# KiCad board MurPhySDR.kicad_pcb (continued)
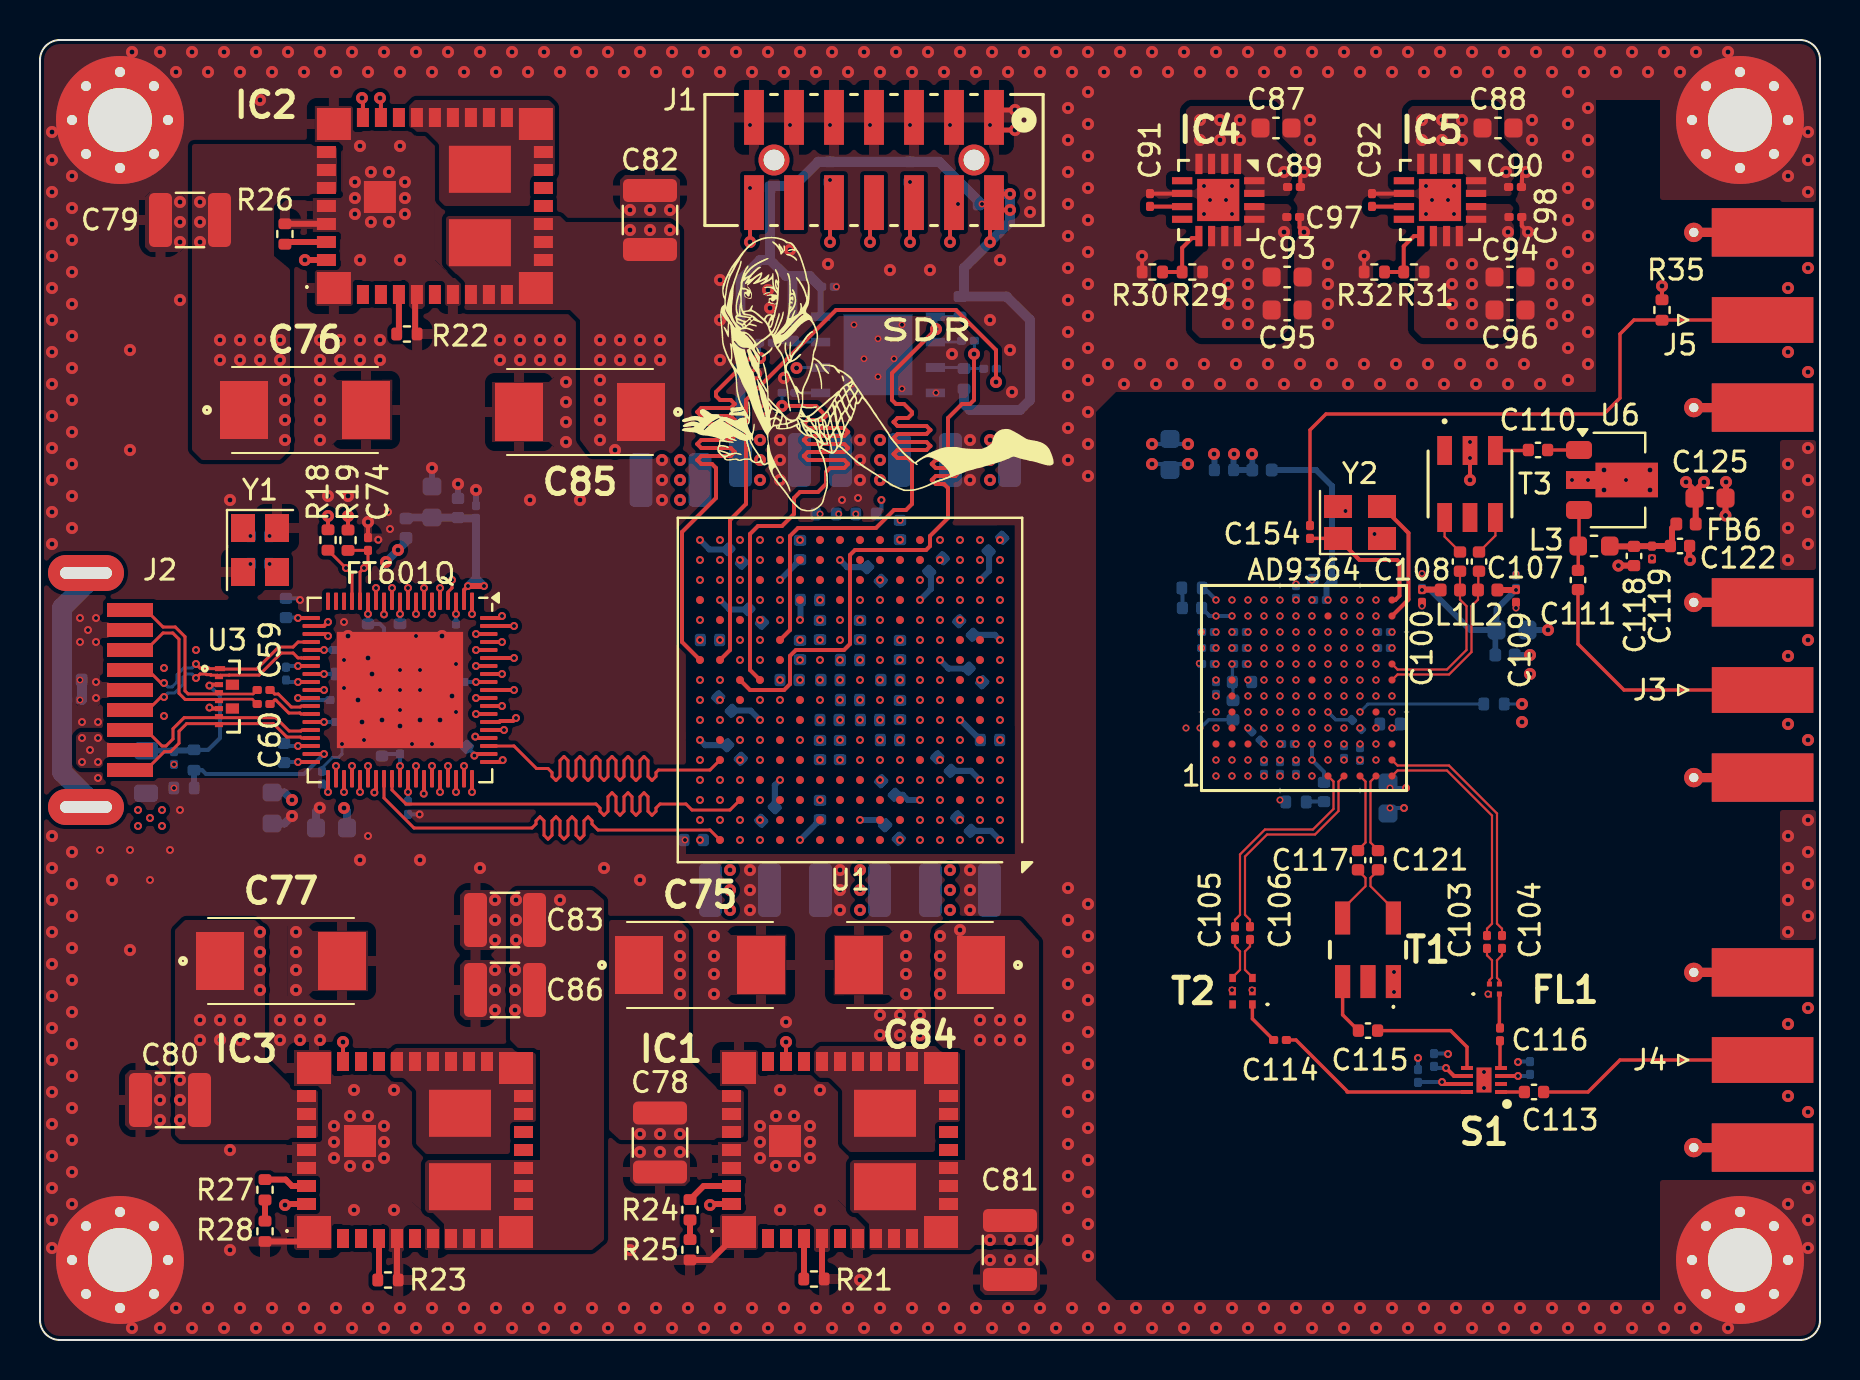
[diagram p0: board, top side]
## Library data of the parts
C1-C3 C6 C18 C24 C25 C78-C83 C86 = -: Description: Unpolarized capacitor; Manufacturer_Name: Murata; Manufacturer_Part_Number: GRM32ER71A476KE15L; Mouser Part Number: 81-GRM32ER71A476KE5L; ki_fp_filters: C_*
C4 C5 C7-C9 C12 C26-C29 C37 C40 C41 = -: Description: Unpolarized capacitor; Manufacturer_Name: Murata; Manufacturer_Part_Number: GRM155R60J475ME87D; Mouser Part Number: 81-GRM155R60J475ME8D; ki_fp_filters: C_*
C10 C11 C13 C15 C16 C19-C23 C30-C33 C35 C36 C38 C39 C42-C46 = -: Description: Unpolarized capacitor; Manufacturer_Name: Murata; Manufacturer_Part_Number: GRM155R61A474KE15D; Mouser Part Number: 81-GRM155R61A474KE5D; ki_fp_filters: C_*
C47 C48 C56-C61 C63 C65 C66 C68-C70 C73 C74 C89 C90 C97 C98 C101 C102 C112 C131-C139 C142 C143 C146-C149 C151-C154 = -: Description: Unpolarized capacitor; Manufacturer_Name: Murata; Manufacturer_Part_Number: GRM033R60J104KE19D; Mouser Part Number: 81-GRM033R60J104KE19; ki_fp_filters: C_*
C49-C51 C87 C88 C93-C96 C99 C125 C129 C130 = -: Description: Unpolarized capacitor; Manufacturer_Name: Murata; Manufacturer_Part_Number: GRM188R61A106ME69D; Mouser Part Number: 81-GRM188R61A106ME9D; ki_fp_filters: C_*
C52 C53 C55 C62 C67 C71 C122 C140 C141 C144 C145 C150 = -: Description: Unpolarized capacitor; Manufacturer_Name: Murata; Manufacturer_Part_Number: GRM155Z71A105KE01D; Mouser Part Number: 81-GRM155Z71A105KE1D; ki_fp_filters: C_*
C54 C64 = -: Description: Unpolarized capacitor; Manufacturer_Name: Murata; Manufacturer_Part_Number: GRM1555C1E100JA01D; Mouser Part Number: 81-GRM1555C1E100JA1D; ki_fp_filters: C_*
C75-C77 C84 C85 = -: Description: Polarized capacitor, US symbol; Manufacturer_Name: Panasonic; Manufacturer_Part_Number: 6TPE330MFL; Mouser Part Number: 667-6TPE330MFL; ki_fp_filters: CP_*
C91 C92 C100 C109 C119 C120 C123 C124 = -: Description: Unpolarized capacitor; Manufacturer_Name: Murata; Manufacturer_Part_Number: GRM0335C1H102JE01D; Mouser Part Number: 81-GRM0335C1H102JE1D; ki_fp_filters: C_*
C103 C104 C116 = -: Description: Unpolarized capacitor; Manufacturer_Name: Murata; Manufacturer_Part_Number: GRM0335C1H4R7BA01D; Mouser Part Number: 81-GRM0335C1H4R7BA1D; ki_fp_filters: C_*
C105 C106 C114 = -: Description: Unpolarized capacitor; Manufacturer_Name: Murata; Manufacturer_Part_Number: GRM0335C1H220JA01D; Mouser Part Number: 81-GRM0335C1H220JA1D; ki_fp_filters: C_*
C107 C108 C110 C111 C113 C115 C117 C121 = -: Description: Unpolarized capacitor; Manufacturer_Name: KEMET; Manufacturer_Part_Number: CBR04C101G3GAC; Mouser Part Number: 80-CBR04C101G3GAC; ki_fp_filters: C_*
C118 = -: Description: Unpolarized capacitor; Manufacturer_Name: YAGEO; Manufacturer_Part_Number: CC0402JRNPO9BN680; Mouser Part Number: 603-CC402JRNPO9BN680; ki_fp_filters: C_*
FB2 FB3 FB5-FB8 = -: Description: Ferrite bead; Manufacturer_Name: TDK; Manufacturer_Part_Number: MPZ1005S221ET000; Mouser Part Number: 810-MPZ1005S221ET000; ki_fp_filters: Inductor_* L_* *Ferrite*
FB4 = -: Description: Ferrite bead; Manufacturer_Name: TDK; Manufacturer_Part_Number: MPZ2012S601AT000; Mouser Part Number: 810-MPZ2012S601AT000; ki_fp_filters: Inductor_* L_* *Ferrite*
FL1 = -: Datasheet: https://cdn.ttm.com/repository/products/wireless-xinger/balun-transformers/BD3150N50100AHF/BD3150N50100AHF_97_J.pdf; Description: RF Balun 3.1GHz ~ 5GHz 50 / 100Ohm 0404 (1010 Metric); Height: 0.56; Manufacturer_Name: ANAREN; Manufacturer_Part_Number: BD3150N50100AHF; Mouser Part Number: 620-BD3150N50100AHF; Mouser Price/Stock: https://www.mouser.co.uk/ProductDetail/Anaren/BD3150N50100AHF?qs=61pwXRo0i5hyFh2UnzZs%252BA%3D%3D
H1-H4 = -: Description: Mounting Hole with connection; Manufacturer_Name: /; Manufacturer_Part_Number: /; ki_fp_filters: MountingHole*Pad*
IC1-IC3 = -: Datasheet: https://www.ti.com/lit/ds/symlink/lmz30604.pdf?ts=1633841335366; Description: Non-Isolated PoL Module DC DC Converter 1 Output 0.8 ~ 3.6V - - 4A 2.95V - 6V Input; Height: 2.9; Manufacturer_Name: Texas Instruments; Mouser Part Number: 595-LMZ30604RKGT
IC4 IC5 = -: Description: Analog Devices ADP1755ACPZ-R7, 5 LDO Voltage Regulator, Adjustable 1.2A, 0.75  3.3 V 0.51V, 16-Pin LFCSP; Manufacturer_Name: Analog Devices; Mouser Part Number: 584-ADP1755ACPZ-R7; Mouser Price/Stock: https://www.mouser.co.uk/ProductDetail/Analog-Devices/ADP1755ACPZ-R7?qs=WIvQP4zGanjr6I6ye1%252BLcA%3D%3D
J1 = -: Manufacturer_Name: Molex; Mouser Part Number: 538-87832-1420; ki_fp_filters: CONN_87832-1420_MOL
J2 = -: Description: USB 3.0 A connector; Manufacturer_Name: XKB Connectivity; Manufacturer_Part_Number: U237-091N-4BLVS10-1; Mouser Part Number: /; ki_fp_filters: USB3*
J3-J5 = -: Description: coaxial connector (BNC, SMA, SMB, SMC, Cinch/RCA, LEMO, ...); Manufacturer_Name: Molex; Manufacturer_Part_Number: 0732511150; Mouser Part Number: 538-73251-1150; ki_fp_filters: *BNC* *SMA* *SMB* *SMC* *Cinch* *LEMO* *UMRF* *MCX* *U.FL*
L1 L2 = -: Description: Inductor; Manufacturer_Name: Murata; Manufacturer_Part_Number: LQW15CNR33J1ZD; Mouser Part Number: 81-LQW15CNR33J1ZD; ki_fp_filters: Choke_* *Coil* Inductor_* L_*
L3 = -: Description: Inductor; Manufacturer_Name: Murata; Manufacturer_Part_Number: LQW18AN43NG00D; Mouser Part Number: 81-LQW18AN43NG00D; ki_fp_filters: Choke_* *Coil* Inductor_* L_*
R1-R3 R10-R12 R15 R24 = -: Description: Resistor; Manufacturer_Name: YAGEO; Manufacturer_Part_Number: RC0402FR-074K7L; Mouser Part Number: 603-RC0402FR-074K7L; ki_fp_filters: R_*
R4-R7 = -: Description: Resistor; Manufacturer_Name: YAGEO; Manufacturer_Part_Number: RC0201FR-0715RL; Mouser Part Number: 603-RC0201FR-0715RL; ki_fp_filters: R_*
R8 R9 R13 R16-R19 R30 R32 R36 = -: Description: Resistor; Manufacturer_Name: YAGEO; Manufacturer_Part_Number: RT0402BRD0710KL; Mouser Part Number: 603-RT0402BRD0710KL; ki_fp_filters: R_*
R14 = -: Description: Resistor; Manufacturer_Name: YAGEO; Manufacturer_Part_Number: RT0402BRD071K6L; Mouser Part Number: 603-RT0402BRD071K6L; ki_fp_filters: R_*
R21 = -: Description: Resistor; Manufacturer_Name: YAGEO; Manufacturer_Part_Number: AC0402FR-071M2L; Mouser Part Number: 603-AC0402FR-071M2L; ki_fp_filters: R_*
R22 R23 = -: Description: Resistor; Manufacturer_Name: YAGEO; Manufacturer_Part_Number: RC0402FR-07348KL; Mouser Part Number: 603-RC0402FR-07348KL; ki_fp_filters: R_*
R25 R26 = -: Description: Resistor; Manufacturer_Name: YAGEO; Manufacturer_Part_Number: RC0402FR-071K15L; Mouser Part Number: 603-RC0402FR-071K15L; ki_fp_filters: R_*
R27 = -: Description: Resistor; Manufacturer_Name: YAGEO; Manufacturer_Part_Number: RC0402FR-07453RL; Mouser Part Number: 603-RC0402FR-07453RL; ki_fp_filters: R_*
R28 = -: Description: Resistor; Manufacturer_Name: YAGEO; Manufacturer_Part_Number: RC0402FR-076R04L; Mouser Part Number: 603-RC0402FR-076R04L; ki_fp_filters: R_*
R29 R31 = -: Description: Resistor; Manufacturer_Name: YAGEO; Manufacturer_Part_Number: RC0402FR-0716KL; Mouser Part Number: 603-RC0402FR-0716KL; ki_fp_filters: R_*
R33 R34 = -: Description: Resistor; Manufacturer_Name: YAGEO; Manufacturer_Part_Number: RC0402FR-071RL; Mouser Part Number: 603-RC0402FR-071RL; ki_fp_filters: R_*
R35 = -: Description: Resistor; Manufacturer_Name: YAGEO; Manufacturer_Part_Number: RC0402FR-0749R9L; Mouser Part Number: 603-RC0402FR-0749R9L; ki_fp_filters: R_*
R37 = -: Description: Resistor; Manufacturer_Name: YAGEO; Manufacturer_Part_Number: RC0402FR-0714K3L; Mouser Part Number: 603-RC0402FR-0714K3L; ki_fp_filters: R_*
S1 = -: Datasheet: https://componentsearchengine.com/Datasheets/1/SKY13317-373LF.pdf; Description: RF Switch ICs 20MHz-6GHz SP3T GaAs IL .5dB @2.5GHz; Height: 0.5; Manufacturer_Name: Skyworks; Mouser Part Number: 873-SKY13317-373LF; Mouser Price/Stock: https://www.mouser.co.uk/ProductDetail/Skyworks-Solutions-Inc/SKY13317-373LF?qs=WMHGlxXAKT%2FS6%2Fi0J8S9Fw%3D%3D
T1 = -: Datasheet: https://www.minicircuits.com/pdfs/TC1-1-13MA+.pdf; Description: RF TRANSFORMER, 4.5 - 3000 MHZ,; Height: 4.06; Manufacturer_Name: Mini-Circuits; Manufacturer_Part_Number: TC1-1-13MA+; Mouser Part Number: 139-TC1-1-13MA; Mouser Price/Stock: https://www.mouser.co.uk/ProductDetail/Mini-Circuits/TC1-1-13MA%2b?qs=xZ%2FP%252Ba9zWqaQyucfPXsKqA%3D%3D
T2 = -: Datasheet: https://www.mouser.co.uk/datasheet/2/21/BD1631J50100AHF-3364808.pdf; Description: Signal Conditioning 2.0-2.5GHz 50/100 Ohm IL=1.0dB; Manufacturer_Name: ANAREN; Manufacturer_Part_Number: BD1631J50100AHF; Mouser Part Number: 620-BD1631J50100AHF; Mouser Price/Stock: https://www.mouser.co.uk/ProductDetail/Anaren/BD1631J50100AHF?qs=61pwXRo0i5iUfnwkd6QDzQ%3D%3D
T3 = -: Manufacturer_Name: Mini-Circuits; Mouser Part Number: 139-TCM1-63AX; ki_fp_filters: DB1627_MNC
U1 = -: Description: Artix 7 T 50 XC7A50T-FTG256; Manufacturer_Name: Xilinx; Mouser Part Number: 217-XC7A50T-2FTG256I
U2 = -: Datasheet: MX25L25645GZNI-08G; Manufacturer_Name: Macronix; Manufacturer_Part_Number: MX25L25645GZNI-08G; Mouser Part Number: /; ki_fp_filters: WSON8_6X5_MAC WSON8_6X5_MAC-M WSON8_6X5_MAC-L
U3 = -: Manufacturer_Name: osnemi; Manufacturer_Part_Number: ESD7016MUTAG; Mouser Part Number: 863-ESD7016MUTAG
U4 = -: Manufacturer_Name: FTDI; Manufacturer_Part_Number: FT601Q-B-T; Mouser Part Number: 895-FT601Q-B-T
U5 = -: Manufacturer_Name: Analog Devices; Manufacturer_Part_Number: AD9364BBCZ; Mouser Part Number: 584-AD9364BBCZ; Field8: 12; Field9: M; Field10: A; Field11: 1; Field12: A; Field13: M; Field14: 12
U6 = -: Datasheet: https://www.analog.com/media/en/technical-documentation/data-sheets/ADL5610.pdf; Description: 30-6000MHz RF/IF +18.4dB gain block, SOT-89; Manufacturer_Name: Analog Devices; Manufacturer_Part_Number: ADL5611ARKZ-R7; Mouser Part Number: ADL5611ARKZ-R7; ki_fp_filters: SOT?89*
Y1 = -: Description: Four pin crystal, GND on pins 2 and 4; Manufacturer_Name: KYOCERA AVX; Manufacturer_Part_Number: CX3225SB30000D0FPLCC; Mouser Part Number: 581-CX3225SB3DFPLCC; ki_fp_filters: Crystal*
Y2 = -: Description: Four pin crystal, GND on pins 2 and 4; Manufacturer_Name: Epson Timing; Manufacturer_Part_Number: X1E0000210808; Mouser Part Number: /; ki_fp_filters: Crystal*

## Footprints (pads in the part's own frame, mm; a bottom-side part is the same pattern mirrored in y, then rotated)
6TPE330MFL
  rect 2.4x2.9 smd: 1(-3.05,0) 2(3.05,0)
AD9364
  round 0.356 smd: A1(-4.4,4.4) A2(-3.6,4.4) A3(-2.8,4.4) A4(-2,4.4) A5(-1.2,4.4) A6(-0.4,4.4) A7(0.4,4.4) A8(1.2,4.4) A9(2,4.4) A10(2.8,4.4) A11(3.6,4.4) A12(4.4,4.4) B1(-4.4,3.6) B2(-3.6,3.6) B3(-2.8,3.6) B4(-2,3.6) B5(-1.2,3.6) B6(-0.4,3.6) B7(0.4,3.6) B8(1.2,3.6) B9(2,3.6) B10(2.8,3.6) B11(3.6,3.6) B12(4.4,3.6) C1(-4.4,2.8) C2(-3.6,2.8) C3(-2.8,2.8) C4(-2,2.8) C5(-1.2,2.8) C6(-0.4,2.8) C7(0.4,2.8) C8(1.2,2.8) C9(2,2.8) C10(2.8,2.8) C11(3.6,2.8) C12(4.4,2.8) D1(-4.4,2) D2(-3.6,2) D3(-2.8,2) D4(-2,2) D5(-1.2,2) D6(-0.4,2) D7(0.4,2) D8(1.2,2) D9(2,2) D10(2.8,2) D11(3.6,2) D12(4.4,2) E1(-4.4,1.2) E2(-3.6,1.2) E3(-2.8,1.2) E4(-2,1.2) E5(-1.2,1.2) E6(-0.4,1.2) E7(0.4,1.2) E8(1.2,1.2) E9(2,1.2) E10(2.8,1.2) E11(3.6,1.2) E12(4.4,1.2) F1(-4.4,0.4) F2(-3.6,0.4) F3(-2.8,0.4) F4(-2,0.4) F5(-1.2,0.4) F6(-0.4,0.4) F7(0.4,0.4) F8(1.2,0.4) F9(2,0.4) F10(2.8,0.4) F11(3.6,0.4) F12(4.4,0.4) G1(-4.4,-0.4) G2(-3.6,-0.4) G3(-2.8,-0.4) G4(-2,-0.4) G5(-1.2,-0.4) G6(-0.4,-0.4) G7(0.4,-0.4) G8(1.2,-0.4) G9(2,-0.4) G10(2.8,-0.4) G11(3.6,-0.4) G12(4.4,-0.4) H1(-4.4,-1.2) H2(-3.6,-1.2) H3(-2.8,-1.2) H4(-2,-1.2) H5(-1.2,-1.2) H6(-0.4,-1.2) H7(0.4,-1.2) H8(1.2,-1.2) H9(2,-1.2) H10(2.8,-1.2) H11(3.6,-1.2) H12(4.4,-1.2) J1(-4.4,-2) J2(-3.6,-2) J3(-2.8,-2) J4(-2,-2) J5(-1.2,-2) J6(-0.4,-2) J7(0.4,-2) J8(1.2,-2) J9(2,-2) J10(2.8,-2) J11(3.6,-2) J12(4.4,-2) K1(-4.4,-2.8) K2(-3.6,-2.8) K3(-2.8,-2.8) K4(-2,-2.8) K5(-1.2,-2.8) K6(-0.4,-2.8) K7(0.4,-2.8) K8(1.2,-2.8) K9(2,-2.8) K10(2.8,-2.8) K11(3.6,-2.8) K12(4.4,-2.8) L1(-4.4,-3.6) L2(-3.6,-3.6) L3(-2.8,-3.6) L4(-2,-3.6) L5(-1.2,-3.6) L6(-0.4,-3.6) L7(0.4,-3.6) L8(1.2,-3.6) L9(2,-3.6) L10(2.8,-3.6) L11(3.6,-3.6) L12(4.4,-3.6) M1(-4.4,-4.4) M2(-3.6,-4.4) M3(-2.8,-4.4) M4(-2,-4.4) M5(-1.2,-4.4) M6(-0.4,-4.4) M7(0.4,-4.4) M8(1.2,-4.4) M9(2,-4.4) M10(2.8,-4.4) M11(3.6,-4.4) M12(4.4,-4.4)
BD1631J50100AHF
  rect 0.41x0.33 smd: 1(-0.66,-0.495) 2(0,-0.495) 3(0.66,-0.495) 4(0.66,0.495) 5(0,0.495) 6(-0.66,0.495)
BD3150N50100AHF
  rect 0.3x0.3 smd: 1(0.275,0.275)
  rect 0.25x0.25 smd: 2(-0.25,0.25) 3(-0.25,-0.25) 4(0.25,-0.25)
C_0201_0603Metric
  rrect 0.318x0.36 smd: (-0.345,0) (0.345,0)
  rrect 0.46x0.4 smd: 1(-0.32,0) 2(0.32,0)
C_0402_1005Metric
  rrect 0.56x0.62 smd: 1(-0.48,0) 2(0.48,0)
C_0603_1608Metric
  rrect 0.9x0.95 smd: 1(-0.775,0) 2(0.775,0)
C_1210_3225Metric
  rrect 1.15x2.7 smd: 1(-1.475,0) 2(1.475,0)
CONN_87832-1420_MOL
  rect 0.991x2.743 smd: 1(-6,-2.13) 2(-6,2.13) 3(-4,-2.13) 4(-4,2.13) 5(-2,-2.13) 6(-2,2.13) 7(0,-2.13) 8(0,2.13) 9(2,-2.13) 10(2,2.13) 11(4,-2.13) 12(4,2.13) 13(6,-2.13) 14(6,2.13)
  round 1.549 hole 1.041: 15(-5,0) 16(5,0)
Crystal_SMD_3225-4Pin_3.2x2.5mm
  rect 1.4x1.2 smd: 1(-1.1,-0.85) 2(1.1,-0.85) 3(1.1,0.85) 4(-1.1,0.85)
Crystal_SMD_SeikoEpson_TSX3225-4Pin_3.2x2.5mm
  rect 1.4x1.15 smd: 1(-1.1,-0.8) 2(1.1,-0.8) 3(1.1,0.8) 4(-1.1,0.8)
L_0402_1005Metric
  rrect 0.59x0.64 smd: 1(-0.485,0) 2(0.485,0)
L_0603_1608Metric
  rrect 0.875x0.95 smd: 1(-0.787,0) 2(0.787,0)
L_0805_2012Metric
  rrect 0.875x1.2 smd: 1(-1.062,0) 2(1.062,0)
LMZ30604RKGT
  rect 1.7x1.6 smd: 1(-5.05,-4.1) 11(5.05,-4.1) 19(5.05,4.1) 29(-5.05,4.1)
  rect 0.6x0.95 smd: 2(-3.6,-4.425) 3(-2.7,-4.425) 4(-1.8,-4.425) 5(-0.9,-4.425) 6(0,-4.425) 7(0.9,-4.425) 8(1.8,-4.425) 9(2.7,-4.425) 10(3.6,-4.425) 20(3.6,4.425) 21(2.7,4.425) 22(1.8,4.425) 23(0.9,4.425) 24(0,4.425) 25(-0.9,4.425) 26(-1.8,4.425) 27(-2.7,4.425) 28(-3.6,4.425)
  rect 0.95x0.6 smd: 12(5.425,-2.7) 13(5.425,-1.8) 14(5.425,-0.9) 15(5.425,0) 16(5.425,0.9) 17(5.425,1.8) 18(5.425,2.7) 30(-5.425,2.7) 31(-5.425,1.8) 32(-5.425,0.9) 33(-5.425,0) 34(-5.425,-0.9) 35(-5.425,-1.8) 36(-5.425,-2.7)
  rect 1.6x1.6 smd: 37(-2.75,0.45)
  rect 3.1x2.35 smd: 38(2.25,-1.835) 39(2.25,1.835)
MountingHole_3.2mm_M3_Pad_Via
  round 0.8 hole 0.5: 1(-2.4,0) 1(-1.697,1.697) 1(-1.697,-1.697) 1(0,2.4) 1(0,-2.4) 1(1.697,1.697) 1(1.697,-1.697) 1(2.4,0)
  round 6.4 hole 3.2: 1(0,0)
QFN65P400X400X100-17N
  rect 1.016x0.356 smd: 1(-1.803,0.965) 2(-1.803,0.33) 3(-1.803,-0.33) 4(-1.803,-0.965) 9(1.803,-0.965) 10(1.803,-0.33) 11(1.803,0.33) 12(1.803,0.965)
  rect 0.356x1.016 smd: 5(-0.965,-1.803) 6(-0.33,-1.803) 7(0.33,-1.803) 8(0.965,-1.803) 13(0.965,1.803) 14(0.33,1.803) 15(-0.33,1.803) 16(-0.965,1.803)
  rect 2.108x2.108 smd: 17(0,0)
QFN-76-1EP_9x9mm_P0.4mm_EP5.81x6.31mm
  rrect 4.68x5.09 smd: (0,0)
  rrect 0.875x0.2 smd: 1(-4.438,3.6) 2(-4.438,3.2) 3(-4.438,2.8) 4(-4.438,2.4) 5(-4.438,2) 6(-4.438,1.6) 7(-4.438,1.2) 8(-4.438,0.8) 9(-4.438,0.4) 10(-4.438,0) 11(-4.438,-0.4) 12(-4.438,-0.8) 13(-4.438,-1.2) 14(-4.438,-1.6) 15(-4.438,-2) 16(-4.438,-2.4) 17(-4.438,-2.8) 18(-4.438,-3.2) 19(-4.438,-3.6) 39(4.438,-3.6) 40(4.438,-3.2) 41(4.438,-2.8) 42(4.438,-2.4) 43(4.438,-2) 44(4.438,-1.6) 45(4.438,-1.2) 46(4.438,-0.8) 47(4.438,-0.4) 48(4.438,0) 49(4.438,0.4) 50(4.438,0.8) 51(4.438,1.2) 52(4.438,1.6) 53(4.438,2) 54(4.438,2.4) 55(4.438,2.8) 56(4.438,3.2) 57(4.438,3.6)
  rrect 0.2x0.875 smd: 20(-3.6,-4.438) 21(-3.2,-4.438) 22(-2.8,-4.438) 23(-2.4,-4.438) 24(-2,-4.438) 25(-1.6,-4.438) 26(-1.2,-4.438) 27(-0.8,-4.438) 28(-0.4,-4.438) 29(0,-4.438) 30(0.4,-4.438) 31(0.8,-4.438) 32(1.2,-4.438) 33(1.6,-4.438) 34(2,-4.438) 35(2.4,-4.438) 36(2.8,-4.438) 37(3.2,-4.438) 38(3.6,-4.438) 58(3.6,4.438) 59(3.2,4.438) 60(2.8,4.438) 61(2.4,4.438) 62(2,4.438) 63(1.6,4.438) 64(1.2,4.438) 65(0.8,4.438) 66(0.4,4.438) 67(0,4.438) 68(-0.4,4.438) 69(-0.8,4.438) 70(-1.2,4.438) 71(-1.6,4.438) 72(-2,4.438) 73(-2.4,4.438) 74(-2.8,4.438) 75(-3.2,4.438) 76(-3.6,4.438)
  rect 5.81x6.31 smd: 77(0,0)
R_0201_0603Metric
  rrect 0.318x0.36 smd: (-0.345,0) (0.345,0)
  rrect 0.46x0.4 smd: 1(-0.32,0) 2(0.32,0)
R_0402_1005Metric
  rrect 0.54x0.64 smd: 1(-0.51,0) 2(0.51,0)
SMA_Molex_73251-1153_EdgeMount_Horizontal
  rect 5.08x2.29 smd: 1(-1.72,0)
  rect 5.08x2.42 smd: 2(-1.72,4.38) 2(-1.72,-4.38)
  rect 5.08x2.42 smd far side: 2(-1.72,4.38) 2(-1.72,-4.38)
  rect 0.95x0.46 smd: 2(1.27,4.38) 2(1.27,-4.38)
  rect 0.95x0.46 smd far side: 2(1.27,4.38) 2(1.27,-4.38)
  round 0.97 hole 0.46: 2(1.72,4.38) 2(1.72,-4.38)
SON40P155X155X50-9N_(SKY13317-373LF)
  rect 0.6x0.2 smd: 1(-0.85,0.6) 2(-0.85,0.2) 3(-0.85,-0.2) 4(-0.85,-0.6) 5(0.85,-0.6) 6(0.85,-0.2) 7(0.85,0.2) 8(0.85,0.6)
  rect 0.75x1.25 smd: 9(0,0)
SOT-89-3
  rrect 1.3x0.9 smd: 1(-1.95,1.5) 3(-1.95,-1.5)
  custom 4.6x1.733 smd: 2(-1.863,0)
TC1113MA
  rect 0.76x1.65 smd: 1(-1.27,1.59) 2(0,1.59) 3(1.27,1.59) 4(1.27,-1.59) 6(-1.27,-1.59)
TCM1-63AX+
  rect 1.448x0.737 smd: 1(-1.676,-1.27) 2(-1.676,0) 3(-1.676,1.27) 4(1.676,1.27) 5(1.676,0) 6(1.676,-1.27)
UDFN8_3P3X1_517CB_ONS
  rect 0.508x0.254 smd: 1(-0.349,1.4)
  rect 0.406x0.254 smd: 2(-0.4,1) 3(-0.4,0.6) 4(-0.4,0.2) 5(-0.4,-0.2) 6(-0.4,-0.6) 7(-0.4,-1) 8(-0.4,-1.4)
  rect 0.66x0.508 smd: 11(0.273,-0.595) 14(0.273,0.595)
USB3.0-A-SMD_U237-091N-4BLVS10-1
  rect 0.7x2.3 smd: 1(3,1.1) 2(1,1.1) 3(-1,1.1) 4(-3,1.1) 5(-4,1.1) 6(-2,1.1) 7(0,1.1) 8(2,1.1) 9(4,1.1)
  oval 1.8x3.8 hole 0.6x2.6: 10(-5.85,-1.1) 10(5.85,-1.1)
WSON8_6X5_MAC
  rect 0.965x0.432 smd: 1(-2.87,1.905) 2(-2.87,0.635) 3(-2.87,-0.635) 4(-2.87,-1.905) 5(2.87,-1.905) 6(2.87,-0.635) 7(2.87,0.635) 8(2.87,1.905)
  rect 3.454x4.039 smd: 9(0,0)
Xilinx_FTG256
  round 0.4 smd: A1(-7.5,7.5) A2(-6.5,7.5) A3(-5.5,7.5) A4(-4.5,7.5) A5(-3.5,7.5) A6(-2.5,7.5) A7(-1.5,7.5) A8(-0.5,7.5) A9(0.5,7.5) A10(1.5,7.5) A11(2.5,7.5) A12(3.5,7.5) A13(4.5,7.5) A14(5.5,7.5) A15(6.5,7.5) A16(7.5,7.5) B1(-7.5,6.5) B2(-6.5,6.5) B3(-5.5,6.5) B4(-4.5,6.5) B5(-3.5,6.5) B6(-2.5,6.5) B7(-1.5,6.5) B8(-0.5,6.5) B9(0.5,6.5) B10(1.5,6.5) B11(2.5,6.5) B12(3.5,6.5) B13(4.5,6.5) B14(5.5,6.5) B15(6.5,6.5) B16(7.5,6.5) C1(-7.5,5.5) C2(-6.5,5.5) C3(-5.5,5.5) C4(-4.5,5.5) C5(-3.5,5.5) C6(-2.5,5.5) C7(-1.5,5.5) C8(-0.5,5.5) C9(0.5,5.5) C10(1.5,5.5) C11(2.5,5.5) C12(3.5,5.5) C13(4.5,5.5) C14(5.5,5.5) C15(6.5,5.5) C16(7.5,5.5) D1(-7.5,4.5) D2(-6.5,4.5) D3(-5.5,4.5) D4(-4.5,4.5) D5(-3.5,4.5) D6(-2.5,4.5) D7(-1.5,4.5) D8(-0.5,4.5) D9(0.5,4.5) D10(1.5,4.5) D11(2.5,4.5) D12(3.5,4.5) D13(4.5,4.5) D14(5.5,4.5) D15(6.5,4.5) D16(7.5,4.5) E1(-7.5,3.5) E2(-6.5,3.5) E3(-5.5,3.5) E4(-4.5,3.5) E5(-3.5,3.5) E6(-2.5,3.5) E7(-1.5,3.5) E8(-0.5,3.5) E9(0.5,3.5) E10(1.5,3.5) E11(2.5,3.5) E12(3.5,3.5) E13(4.5,3.5) E14(5.5,3.5) E15(6.5,3.5) E16(7.5,3.5) F1(-7.5,2.5) F2(-6.5,2.5) F3(-5.5,2.5) F4(-4.5,2.5) F5(-3.5,2.5) F6(-2.5,2.5) F7(-1.5,2.5) F8(-0.5,2.5) F9(0.5,2.5) F10(1.5,2.5) F11(2.5,2.5) F12(3.5,2.5) F13(4.5,2.5) F14(5.5,2.5) F15(6.5,2.5) F16(7.5,2.5) G1(-7.5,1.5) G2(-6.5,1.5) G3(-5.5,1.5) G4(-4.5,1.5) G5(-3.5,1.5) G6(-2.5,1.5) G7(-1.5,1.5) G8(-0.5,1.5) G9(0.5,1.5) G10(1.5,1.5) G11(2.5,1.5) G12(3.5,1.5) G13(4.5,1.5) G14(5.5,1.5) G15(6.5,1.5) G16(7.5,1.5) H1(-7.5,0.5) H2(-6.5,0.5) H3(-5.5,0.5) H4(-4.5,0.5) H5(-3.5,0.5) H6(-2.5,0.5) H7(-1.5,0.5) H8(-0.5,0.5) H9(0.5,0.5) H10(1.5,0.5) H11(2.5,0.5) H12(3.5,0.5) H13(4.5,0.5) H14(5.5,0.5) H15(6.5,0.5) H16(7.5,0.5) J1(-7.5,-0.5) J2(-6.5,-0.5) J3(-5.5,-0.5) J4(-4.5,-0.5) J5(-3.5,-0.5) J6(-2.5,-0.5) J7(-1.5,-0.5) J8(-0.5,-0.5) J9(0.5,-0.5) J10(1.5,-0.5) J11(2.5,-0.5) J12(3.5,-0.5) J13(4.5,-0.5) J14(5.5,-0.5) J15(6.5,-0.5) J16(7.5,-0.5) K1(-7.5,-1.5) K2(-6.5,-1.5) K3(-5.5,-1.5) K4(-4.5,-1.5) K5(-3.5,-1.5) K6(-2.5,-1.5) K7(-1.5,-1.5) K8(-0.5,-1.5) K9(0.5,-1.5) K10(1.5,-1.5) K11(2.5,-1.5) K12(3.5,-1.5) K13(4.5,-1.5) K14(5.5,-1.5) K15(6.5,-1.5) K16(7.5,-1.5) L1(-7.5,-2.5) L2(-6.5,-2.5) L3(-5.5,-2.5) L4(-4.5,-2.5) L5(-3.5,-2.5) L6(-2.5,-2.5) L7(-1.5,-2.5) L8(-0.5,-2.5) L9(0.5,-2.5) L10(1.5,-2.5) L11(2.5,-2.5) L12(3.5,-2.5) L13(4.5,-2.5) L14(5.5,-2.5) L15(6.5,-2.5) L16(7.5,-2.5) M1(-7.5,-3.5) M2(-6.5,-3.5) M3(-5.5,-3.5) M4(-4.5,-3.5) M5(-3.5,-3.5) M6(-2.5,-3.5) M7(-1.5,-3.5) M8(-0.5,-3.5) M9(0.5,-3.5) M10(1.5,-3.5) M11(2.5,-3.5) M12(3.5,-3.5) M13(4.5,-3.5) M14(5.5,-3.5) M15(6.5,-3.5) M16(7.5,-3.5) N1(-7.5,-4.5) N2(-6.5,-4.5) N3(-5.5,-4.5) N4(-4.5,-4.5) N5(-3.5,-4.5) N6(-2.5,-4.5) N7(-1.5,-4.5) N8(-0.5,-4.5) N9(0.5,-4.5) N10(1.5,-4.5) N11(2.5,-4.5) N12(3.5,-4.5) N13(4.5,-4.5) N14(5.5,-4.5) N15(6.5,-4.5) N16(7.5,-4.5) P1(-7.5,-5.5) P2(-6.5,-5.5) P3(-5.5,-5.5) P4(-4.5,-5.5) P5(-3.5,-5.5) P6(-2.5,-5.5) P7(-1.5,-5.5) P8(-0.5,-5.5) P9(0.5,-5.5) P10(1.5,-5.5) P11(2.5,-5.5) P12(3.5,-5.5) P13(4.5,-5.5) P14(5.5,-5.5) P15(6.5,-5.5) P16(7.5,-5.5) R1(-7.5,-6.5) R2(-6.5,-6.5) R3(-5.5,-6.5) R4(-4.5,-6.5) R5(-3.5,-6.5) R6(-2.5,-6.5) R7(-1.5,-6.5) R8(-0.5,-6.5) R9(0.5,-6.5) R10(1.5,-6.5) R11(2.5,-6.5) R12(3.5,-6.5) R13(4.5,-6.5) R14(5.5,-6.5) R15(6.5,-6.5) R16(7.5,-6.5) T1(-7.5,-7.5) T2(-6.5,-7.5) T3(-5.5,-7.5) T4(-4.5,-7.5) T5(-3.5,-7.5) T6(-2.5,-7.5) T7(-1.5,-7.5) T8(-0.5,-7.5) T9(0.5,-7.5) T10(1.5,-7.5) T11(2.5,-7.5) T12(3.5,-7.5) T13(4.5,-7.5) T14(5.5,-7.5) T15(6.5,-7.5) T16(7.5,-7.5)

## Nets
+1V0: C18.1 C22.1 C37.1 C40.1 C41.1 C42.1 C43.1 C44.1 C45.1 C46.1 C81.1 C84.1 IC1.8 IC1.9 IC1.10 IC1.11 IC1.12 IC1.13 IC1.14 IC1.36 IC1.38 U1.E10 U1.F7 U1.F8 U1.F9 U1.F11 U1.G6 U1.G8 U1.H9 U1.J6 U1.K9 U1.L8
+1V3_A: C93.1 C95.1 C97.1 C129.1 C131.1 C133.1 C135.1 C137.1 C143.1 C147.1 IC4.10 IC4.11 IC4.12 IC4.13 IC4.14 R29.1 U5.B9 U5.B10 U5.E2 U5.F2 U5.J3 U5.K3
+1V3_B: C94.1 C96.1 C98.1 C101.1 C130.1 C132.1 C134.1 C136.1 C142.1 C146.1 C148.1 C149.1 C151.1 C152.1 C153.1 FB5.2 FB7.2 IC5.10 IC5.11 IC5.12 IC5.13 IC5.14 R31.1 U5.A7 U5.A8 U5.A9 U5.A10 U5.D2 U5.D3 U5.E3 U5.F12 U5.K4 U5.M9 U5.M10
+1V8: C2.1 C5.1 C6.1 C9.1 C11.1 C12.1 C15.1 C19.1 C21.1 C23.1 C25.1 C27.1 C29.1 C31.1 C33.1 C36.1 C39.1 C82.1 C85.1 C87.1 C88.1 C89.1 C90.1 C150.1 FB8.2 IC2.8 IC2.9 IC2.10 IC2.11 IC2.12 IC2.13 IC2.14 IC2.36 IC2.38 IC4.1 IC4.2 IC4.3 IC4.4 IC4.15 IC4.16 IC5.1 IC5.2 IC5.3 IC5.4 IC5.15 IC5.16 R36.1 U1.A6 U1.B3 U1.D7 U1.E4 U1.F1 U1.G10 U1.J2 U1.J10 U1.K11 U1.L10 U1.M3 U1.R4 U1.T1
+1Vcore-FT: C50.1 C53.1 C57.1 C63.1 C66.1 C68.1 C70.1 FB3.1 U4.3 U4.30 U4.33 U4.39 U4.48
+3V3: C1.1 C3.1 C4.1 C7.1 C8.1 C10.1 C13.1 C16.1 C20.1 C24.1 C26.1 C28.1 C30.1 C32.1 C35.1 C38.1 C47.1 C49.1 C52.1 C56.1 C62.1 C65.1 C67.1 C69.1 C71.1 C73.1 C83.1 C86.1 IC3.8 IC3.9 IC3.10 IC3.11 IC3.12 IC3.13 IC3.14 IC3.36 IC3.38 J1.2 R1.1 R2.1 R3.1 R8.1 R9.1 R10.1 R11.1 R12.1 R13.1 R17.1 R18.1 R19.1 U1.A16 U1.B13 U1.C10 U1.E7 U1.E14 U1.H15 U1.J12 U1.L6 U1.L16 U1.M9 U1.M13 U1.N10 U1.P7 U1.R14 U1.T11 U2.8 U4.14 U4.20 U4.24 U4.28 U4.38 U4.49 U4.59 U4.68
+5V: C75.1 C76.1 C77.1 C78.1 C79.1 C80.1 C125.1 FB4.2 FB6.2 IC1.30 IC1.31 IC1.32 IC2.30 IC2.31 IC2.32 IC3.30 IC3.31 IC3.32
AVDD_FT: C51.1 C55.1 C61.1 FB3.2 U4.2
GND: C1.2 C2.2 C3.2 C4.2 C5.2 C6.2 C7.2 C8.2 C9.2 C10.2 C11.2 C12.2 C13.2 C15.2 C16.2 C18.2 C19.2 C20.2 C21.2 C22.2 C23.2 C24.2 C25.2 C26.2 C27.2 C28.2 C29.2 C30.2 C31.2 C32.2 C33.2 C35.2 C36.2 C37.2 C38.2 C39.2 C40.2 C41.2 C42.2 C43.2 C44.2 C45.2 C46.2 C47.2 C48.2 C49.2 C50.2 C51.2 C52.2 C53.2 C54.2 C55.2 C56.2 C57.2 C58.2 C61.2 C62.2 C63.2 C64.2 C65.2 C66.2 C67.2 C68.2 C69.2 C70.2 C71.2 C73.2 C74.2 C75.2 C76.2 C77.2 C78.2 C79.2 C80.2 C81.2 C82.2 C83.2 C84.2 C85.2 C86.2 C87.2 C88.2 C89.2 C90.2 C91.2 C92.2 C93.2 C94.2 C95.2 C96.2 C97.2 C98.2 C99.2 C100.2 C101.2 C102.2 C109.2 C112.2 C118.2 C119.2 C120.2 C122.1 C123.2 C124.2 C125.2 C129.2 C130.2 C131.2 C132.2 C133.2 C134.2 C135.2 C136.2 C137.2 C138.2 C139.2 C142.2 C143.2 C144.2 C145.2 C146.2 C147.2 C148.2 C149.2 C150.2 C151.2 C152.2 C153.2 FB2.2 FL1.1 H1.1 H2.1 H3.1 H4.1 IC1.1 IC1.5 IC1.7 IC1.29 IC1.33 IC1.34 IC1.37 IC2.1 IC2.5 IC2.7 IC2.29 IC2.33 IC2.34 IC2.37 IC3.1 IC3.5 IC3.7 IC3.29 IC3.33 IC3.34 IC3.37 IC4.6 IC4.17 IC5.6 IC5.17 J1.1 J1.3 J1.5 J1.7 J1.9 J1.11 J1.13 J2.4 J2.7 J3.2 J4.2 J5.2 R14.2 R16.2 R21.2 R22.2 R23.2 R25.2 R26.2 R28.2 R30.2 R32.2 R33.2 R34.2 R35.2 R37.1 S1.9 T1.1 T2.2 T2.5 T3.2 U1.A1 U1.A11 U1.B8 U1.C5 U1.C15 U1.D2 U1.D12 U1.E9 U1.F6 U1.F10 U1.F16 U1.G3 U1.G7 U1.G9 U1.G13 U1.H6 U1.H7 U1.H8 U1.J7 U1.J8 U1.J9 U1.J11 U1.K4 U1.K6 U1.K7 U1.K8 U1.K14 U1.L1 U1.L11 U1.L15 U1.M8 U1.M10 U1.M11 U1.N5 U1.N15 U1.P2 U1.P12 U1.R9 U1.T6 U1.T16 U2.4 U2.9 U3.6 U4.1 U4.26 U4.29 U4.36 U4.77 U5.A1 U5.A2 U5.A4 U5.A5 U5.A6 U5.A12 U5.B1 U5.B2 U5.B12 U5.C1 U5.C2 U5.C4 U5.C7 U5.C8 U5.C9 U5.C10 U5.C11 U5.C12 U5.D1 U5.D12 U5.E1 U5.F1 U5.F3 U5.F7 U5.F9 U5.F11 U5.G1 U5.G10 U5.G12 U5.H2 U5.H3 U5.H5 U5.H6 U5.H7 U5.H9 U5.H10 U5.J2 U5.K2 U5.K12 U5.L2 U5.L3 U5.L7 U5.L8 U5.L9 U5.L10 U5.L11 U5.L12 U5.M4 U5.M5 U5.M6 U6.2 Y1.2 Y1.4 Y2.2 Y2.4
+5P0_USB: C58.1 FB4.1 J2.1 R15.2 U3.3